# KiCad board stekeeb65_analog.kicad_pcb (continued)
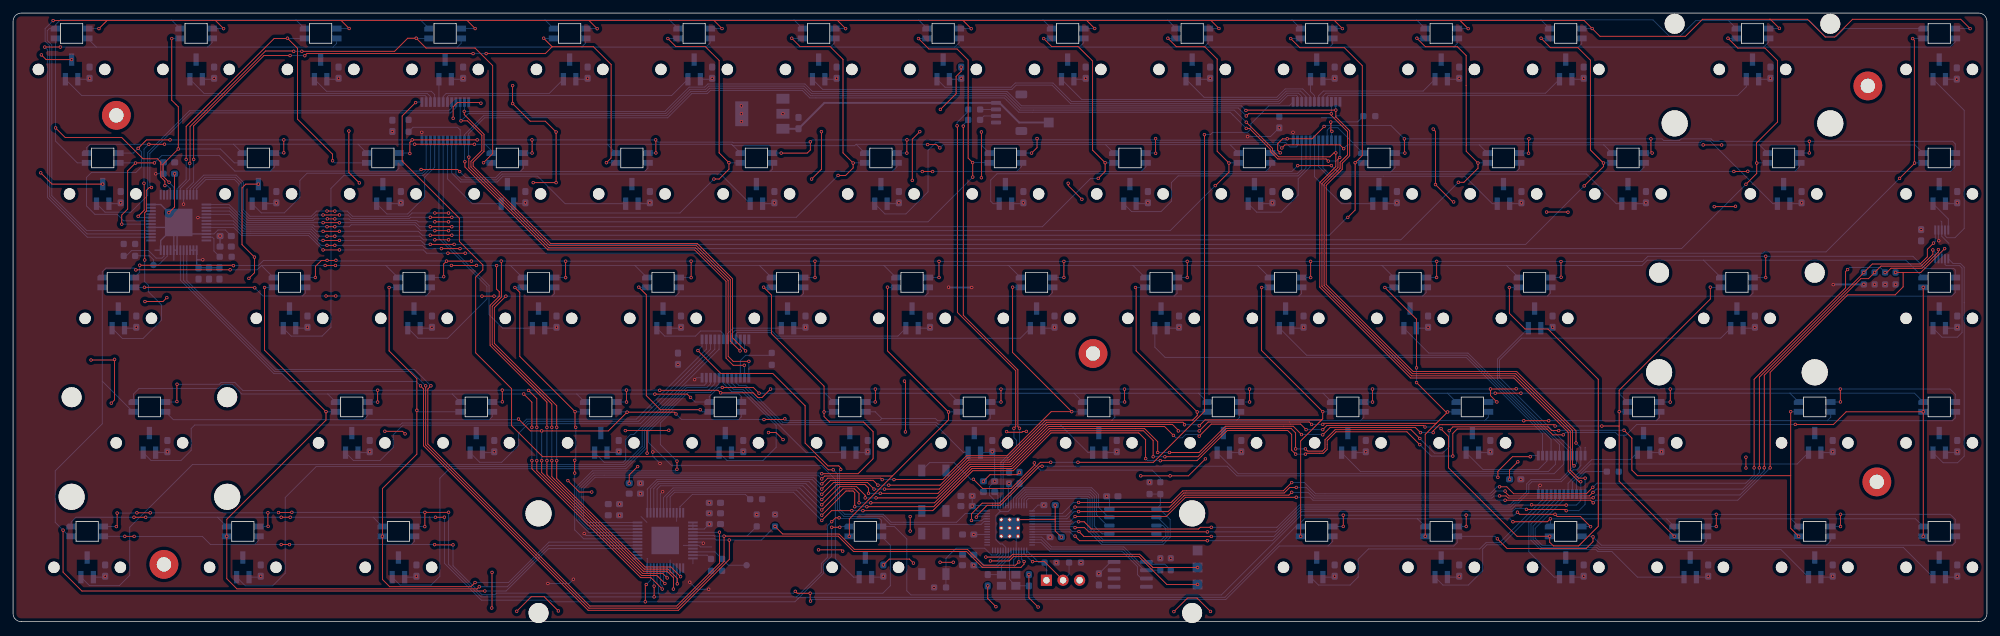
[diagram p0: board, top side]
## Routing (per net, layer and track width the routed paths; a pad name or vN(x,y) marks a point on that pad's centre or on a via; arc(x,y) is an arc through that point) (continued)
SW_41: length 32.9
  Bottom w0.127: U41.2 216.6,41.1 222.6,41.1 236.61,27.08 IC3.6
SW_42: length 25.9
  Bottom w0.127: IC3.8 237.91,26.25 227.11,37.05 227.11,40.18 U42.2
SW_43: length 56.6
  Bottom w0.127: IC3.9 238.56,26.25 227.44,37.38 227.44,40.05 230.78,43.39 261.27,43.39 U43.2
SW_44: length 18.9
  Bottom w0.127: U44.2 295.13,43.54 297.48,43.54 298.19,44.25 298.19,54.11 297.82,54.48 295.77,54.48 295.59,54.66 IC7.7
SW_45: length 97.2
  Bottom w0.127: U45.2 21.12,24.65 25.68,24.65 27.25,26.22 27.25,29.55 27.8,30.1 59.23,30.1 59.53,30.4 77.98,30.4 78.57,30.99 95.36,30.99 106.07,41.7 106.06,41.71 IC4.2
SW_46: length 66
  Bottom w0.127: U46.2 52.08,24.65 56.14,24.65 58.16,26.67 58.16,27.89 58.16,28.57 59.67,30.08 78.12,30.08 78.71,30.66 95.68,30.66 106.72,41.7 106.72,43.2 106.72,43.21
SW_47: length 47.8
  Bottom w0.127: IC4.4 107.36,41.71 107.38,41.7 95.96,30.29 78.79,30.29 77.36,28.86 77.36,26.99 74.77,24.4 71.39,24.4 U47.2
SW_48: length 30.2
  Bottom w0.127: IC4.5 108.01,41.71 108.02,41.7 94.95,28.63 94.47,28.63 93.73,27.89 93.73,24.8 93.74,24.79 93.35,24.4 90.44,24.4 U48.2
SW_49: length 25
  Bottom w0.127: U49.2 109.23,24.65 114.71,24.65 116.75,26.69 116.75,30.01 111.58,35.18 109.97,35.18 108.66,36.49 IC4.19
SW_50: length 23
  Bottom w0.127: 109.31,37.33 109.31,36.49 110.3,35.51 111.71,35.51 121.36,25.86 U50.2
SW_51: length 41.4
  Bottom w0.127: U51.2 145.41,25.86 141.14,30.14 117.66,30.14 111.96,35.84 110.61,35.84 109.97,36.49 IC4.17
SW_52: length 59.7
  Bottom w0.127: U52.2 164.48,25.86 160.21,30.14 141.6,30.14 141.28,30.47 117.8,30.47 112.09,36.17 111.02,36.17 110.61,36.58 IC4.16
SW_53: length 56.3
  Bottom w0.127: U53.2 187.44,22.64 235.77,22.64 237.27,24.13 IC3.7
SW_54: length 35.7
  Bottom w0.127: U54.2 206.17,22.97 234.88,22.97 235.97,24.05 IC3.5
SW_55: length 14.8
  Bottom w0.127: IC3.3 234.66,24.57 233.39,23.29 224.89,23.29 U55.2
SW_56: length 14.2
  Bottom w0.127: IC3.17 237.91,21.17 241.53,24.79 247.44,24.79 U56.2
SW_57: length 39.8
  Bottom w0.127: IC3.16 238.56,21.36 241.33,24.13 272.97,24.13 U57.2
SW_58: length 37.7
  Bottom w0.127: U58.2 295.3,24.32 297.51,24.32 298.52,25.33 298.52,48.81 298.52,48.81 298.52,54.24 297.95,54.81 296.82,54.81 IC7.6
SW_59: length 115.7
  Bottom w0.127: IC4.23 106.06,36.49 105.76,36.19 102.97,36.19 96.26,29.48 96.26,26.84 93.49,24.07 27.47,24.07 17.85,14.45 17.85,7.1 16.26,5.51 11.69,5.51 U59.2
SW_60: length 95.1
  Bottom w0.127: 106.72,37.33 106.72,36.4 106.17,35.86 103.11,35.86 96.59,29.34 96.59,26.71 93.61,23.73 46.37,23.73 41.64,19 41.64,7.41 39.72,5.49 35.52,5.49 U60.2
SW_61: length 73.9
  Bottom w0.127: IC4.21 107.36,36.42 106.37,35.43 103.14,35.43 96.91,29.21 96.91,26.57 93.75,23.4 66.75,23.4 65.3,21.96 65.3,6.94 63.96,5.6 59.22,5.6 U61.2
SW_62: length 64.3
  Bottom w0.127: IC4.20 108.01,36.4 106.69,35.08 103.25,35.08 97.24,29.07 97.24,27.4 100.72,23.92 123.64,23.92 125.8,21.76 125.8,9.61 125.83,9.58 125.84,9.58 126.58,8.84 126.58,8.83 128.59,6.81 U62.2
SW_63: length 43.9
  Bottom w0.127: U63.2 199.72,5.6 204.56,5.6 205.8,6.84 205.8,9.56 207.37,11.13 224.39,11.13 225.35,12.09 227.44,12.09 234.02,18.67 234.02,19.53
SW_64: length 25.8
  Bottom w0.127: IC3.22 234.66,18.67 227.76,11.76 225.49,11.76 224.85,11.12 224.85,7.79 222.66,5.6 218.77,5.6 U64.2
SW_65: length 16.5
  Bottom w0.127: IC3.21 235.31,18.67 231.91,15.26 231.91,10.71 235.8,6.81 U65.2
SW_66: length 34.4
  Bottom w0.127: IC3.20 235.97,18.67 232.24,14.94 232.24,12.47 233.67,11.04 242.18,11.04 242.5,10.72 244.62,10.72 248.53,6.81 U66.2
SW_67: length 53.1
  Bottom w0.127: IC3.19 236.61,18.67 232.56,14.62 232.56,12.61 233.81,11.37 242.32,11.37 242.63,11.05 270.47,11.05 U67.2
SW_68: length 71.9
  Bottom w0.127: U68.2 289.19,11.38 242.77,11.38 242.45,11.69 233.94,11.69 232.89,12.74 232.89,14.29 237.27,18.67 IC3.18
SWCLK: length 36.8
  Top w0.127: v1(149.53,9.29) 152.38,9.29 153.08,9.99 172.23,9.99 176.53,5.69 v1(181.23,5.69)
  Bottom w0.127: U70.24 151.47,10.23 150.53,9.29 v1(149.53,9.29)
SWDIO: length 36.4
  Top w0.127: v1(148.83,9.89) 152.52,9.89 152.94,10.32 172.37,10.32 174.39,8.29 v1(181.23,8.29)
  Bottom w0.127: v1(148.83,9.89) 148.84,9.88 150.59,9.88 151.07,10.36 U70.25
UART_RX: length 11.2
  Top w0.127: v1(155.98,9.19) 157.79,9.19 J2.2
  Bottom w0.127: v1(155.98,9.19) 155.91,9.19 154.67,10.42 U70.16 ; J2.2 161.57,7.26 R27.2
UART_TX: length 6.3
  Bottom w0.127: J2.1 158.1,8.75 R26.2 156.94,9.04 U70.15
USB_D+: length 63.9
  Top w0.127: v1(153.98,29.59) 153.74,29.83 153.74,38.53 145.38,46.89 v1(145.38,75.84)
  Bottom w0.127: R25.1 145.38,76.05 v1(145.38,75.84) ; v1(153.98,29.59) 153.98,26.79 151.47,24.28 U70.47
USB_D-: length 66.3
  Top w0.127: v1(144.43,75.89) 144.48,75.84 144.48,47.33 153.41,38.4 153.41,29.87 v1(153.13,29.59)
  Bottom w0.127: U70.46 151.07,19.03 151.15,19.11 151.15,24.42 153.53,26.8 153.53,27.77 153.13,28.17 v1(153.13,29.59) ; R24.2 146.14,78.1 144.43,76.39 v1(144.43,75.89)
Net-(IC1-Pad15): length 10
  Bottom w0.127: 68.41,73.64 68.41,75.26 68,75.66 61.19,75.66 R13.1
Net-(IC2-Pad15): length 8.3
  Top w0.127: v1(201.6,76.46) 201.6,76.31 201.63,76.29 201.63,75.19 v1(201.78,75.04)
  Bottom w0.127: R14.1 205.72,76.49 201.63,76.49 v1(201.6,76.46) ; v1(201.78,75.04) 201.71,74.97 IC2.15
Net-(IC3-Pad15): length 7.2
  Bottom w0.127: 239.22,19.53 239.22,21.55 240.63,22.96 R15.1
Net-(IC4-Pad15): length 7.9
  Bottom w0.127: IC4.15 111.26,39.95 112.08,40.76 115.72,40.76 R16.1
Net-(IC5-Pad35): length 4.4
  Bottom w0.127: R7.1 30.73,56.73 30.73,58.6 30.49,58.84 IC5.35
Net-(IC5-Pad40): length 124.2
  Top w0.127: v1(63.93,36.09) 63.46,35.62 63.46,27.19 88.25,2.39 101.52,2.39 108.08,8.95 v1(108.08,13.69)
  Bottom w0.127: v1(63.93,36.09) 61.41,38.61 40.19,38.61 26.59,52.2 IC5.40 ; IC6.40 108.07,13.68 v1(108.08,13.69)
Net-(IC5-Pad46): length 7.4
  Bottom w0.127: IC5.46 23.59,55.94 22.24,54.59 TP1.1 21.48,55.39 20.88,55.99 18.69,55.99 R3.2
Net-(IC5-Pad47): length 8
  Bottom w0.127: R5.2 17.32,55.98 18.13,56.79 20.73,56.79 21.88,55.64 22.79,55.64 23.09,55.94 IC5.47
Net-(IC6-Pad35): length 12.8
  Bottom w0.127: R8.1 112.03,19.49 103.94,19.49 102.03,17.58 IC6.35
Net-(IC6-Pad46): length 9.1
  Bottom w0.127: TP6.1 109.44,8.64 R4.2 107.4,10.68 IC6.46
Net-(IC6-Pad47): length 3
  Bottom w0.127: IC6.47 106.2,10.18 R6.2
Net-(J1-Pad2): length 2.4
  Bottom w0.127: J1.2 150.38,78.38 R24.1
Net-(J1-Pad3): length 2.7
  Bottom w0.127: J1.3 148.54,77.39 R25.2

## Copper pours and planes (outline as drawn; the poured copper is in the pictures)
+3.3VA on Top: 302,0 0,0 0,93.14 302,93.14
GND on Bottom: 302,0 0,0 0,93.14 302,93.14

## Text on the board
B.Silkscreen: stekeeb65_analog / Rev 1.0.0 | TX | RX | RESET | BOOT | GND | SWDIO | SWCLK
User.Comments: 23 | 44 | 45 | 49,42,33,22,10,1, 48, 43 | 50
